# Altium PCB PROC054D_MMWCAS_RF_EVM_ASCII.PcbDoc (part 6 of 13)
Units mil, origin at the board's own origin, x right, y up, seen from the top; angles counter-clockwise.
Board outline 6299.21 x 5370.07 mil, 8 copper layers (L1 TOP, L2 GND, L3 SIGNAL 1, L4 GND, L5 SIGNAL 2, L6 SIGNAL 3, L7 GND, L8 BOTTOM), stack 53.5 mil thick; 775 components, 552 nets, 2648 pads, 7845 vias.
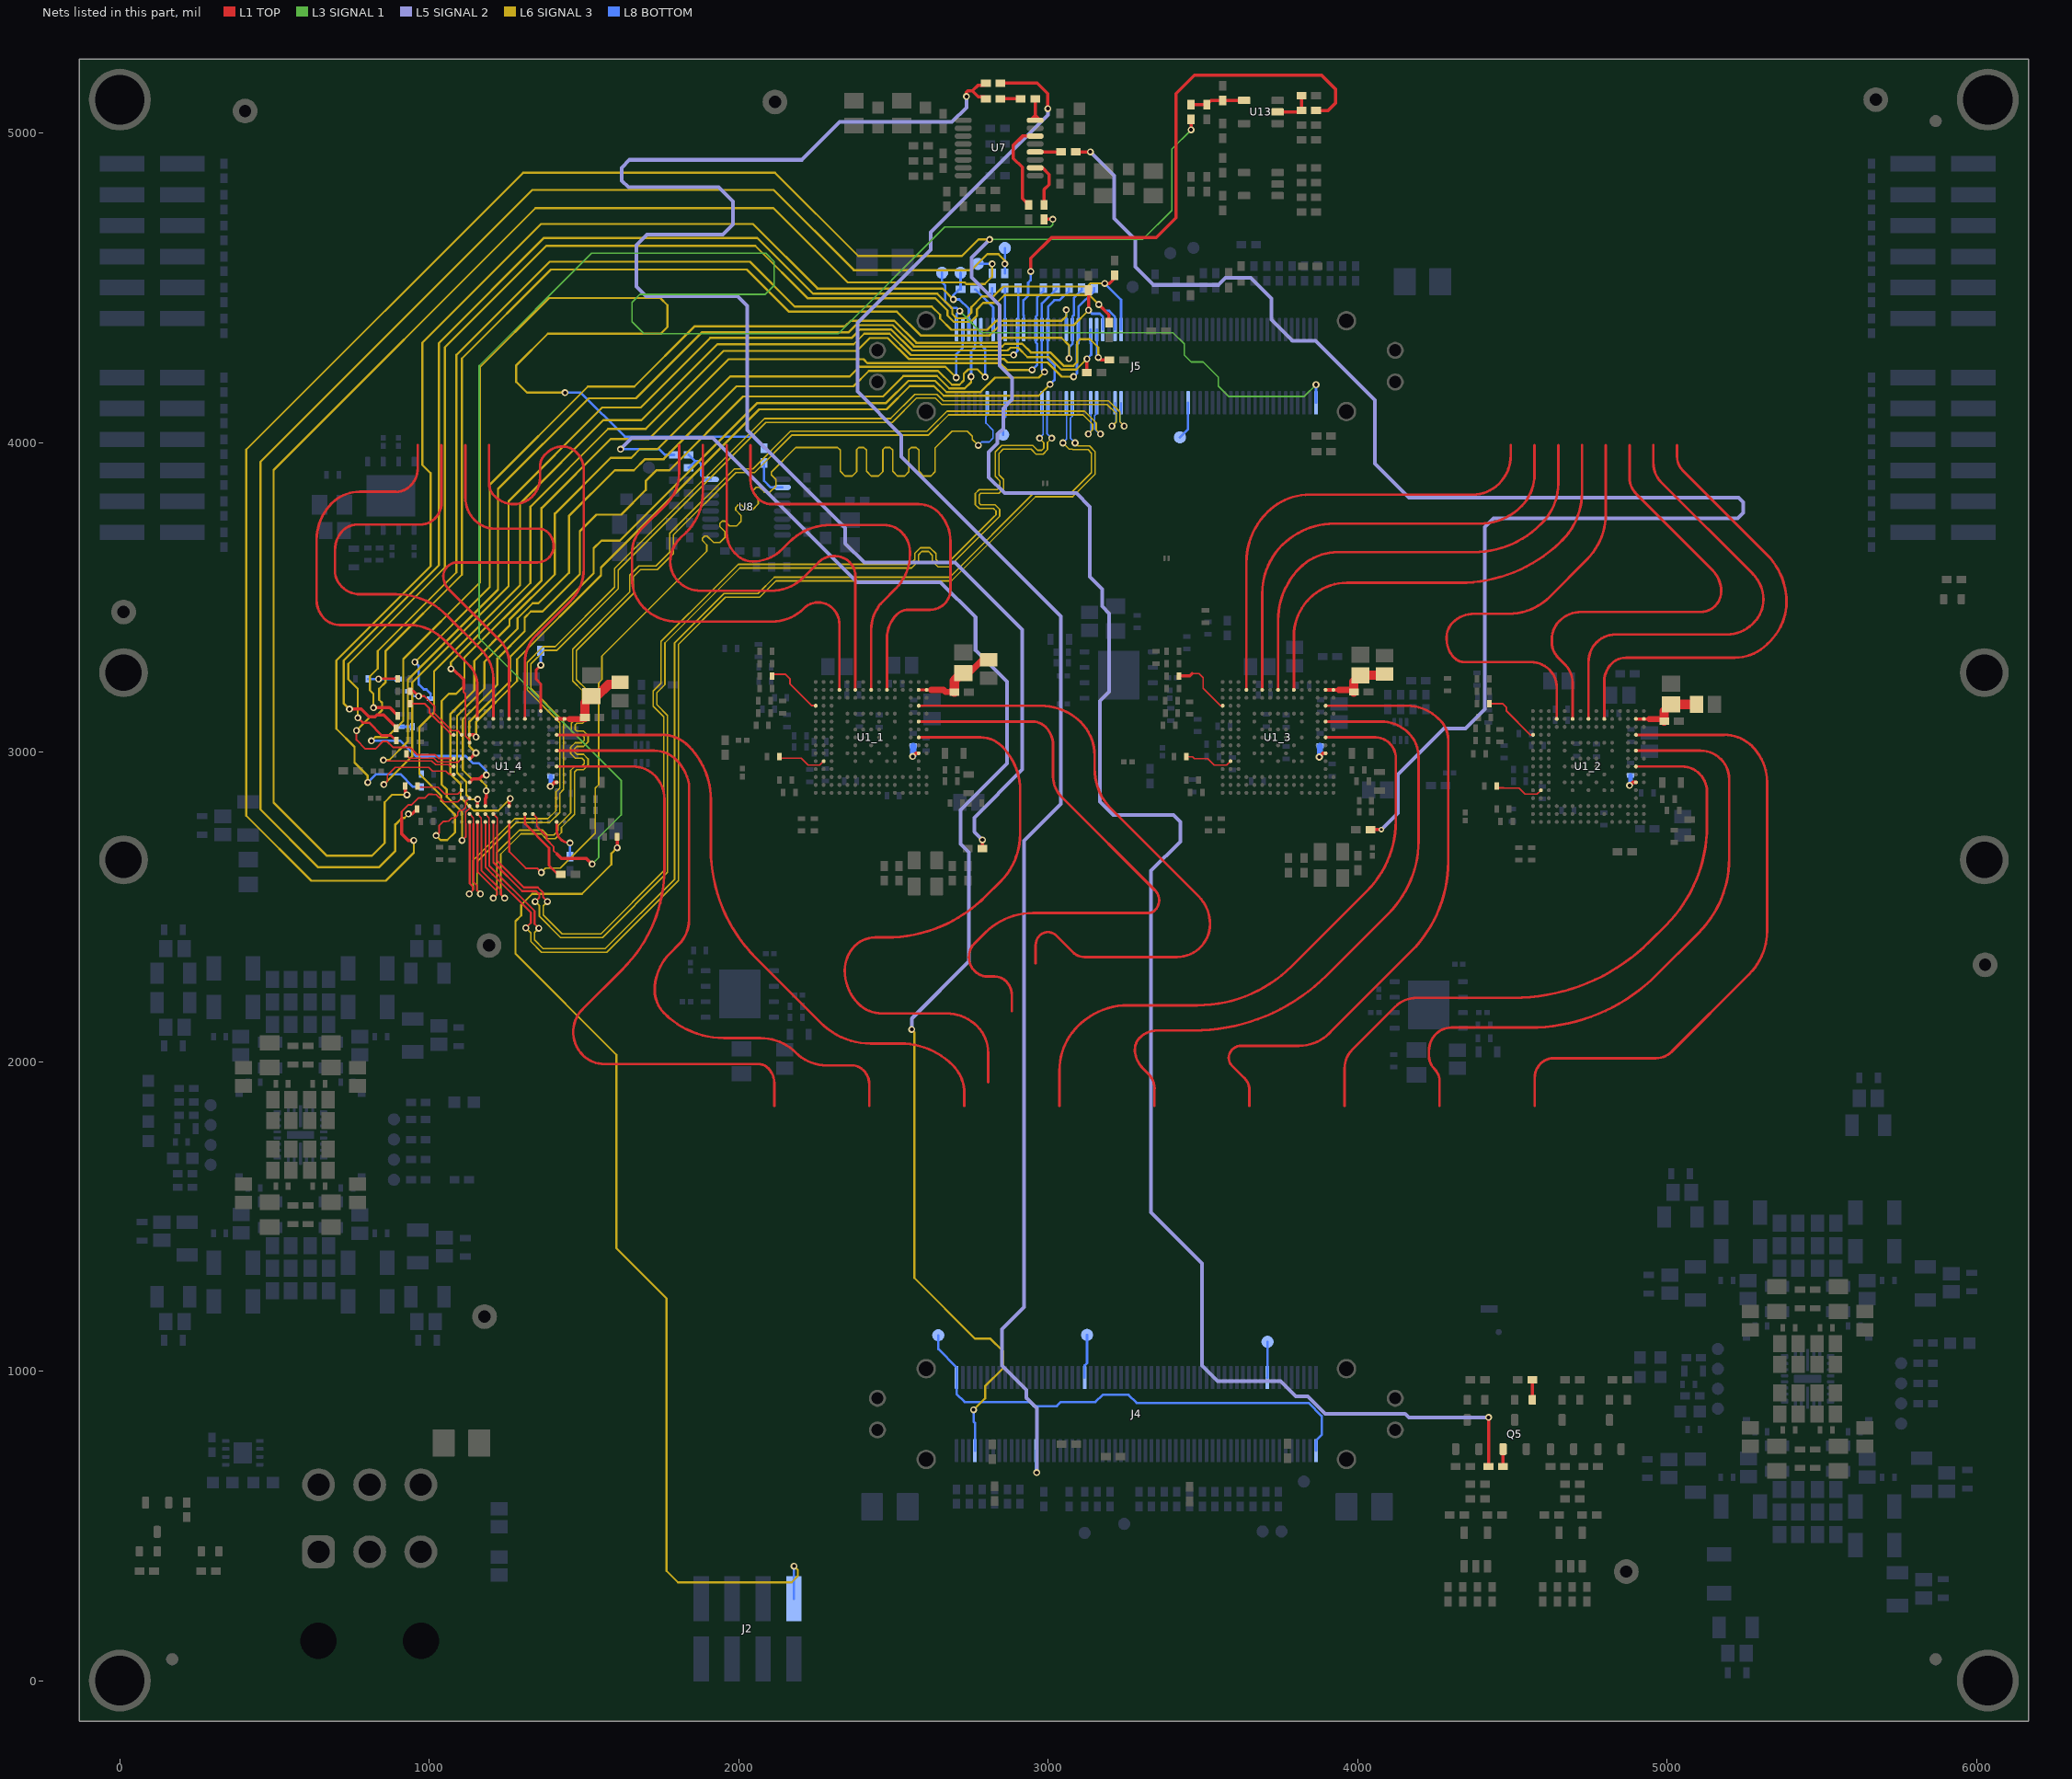
[diagram p12: the nets of this part, all layers, seen from the top]

## Via types
v1: diameter 15.74, hole 5.9, L1 TOP to L2 GND, tented both sides, 5522 vias
v2: diameter 22.4, hole 12.2, L1 TOP to L8 BOTTOM, tented both sides, 1522 vias
v3: diameter 18, hole 8, L1 TOP to L8 BOTTOM, tented both sides, 727 vias
v4: diameter 18, hole 7.87, L1 TOP to L8 BOTTOM, tented top, 50 vias
v5: diameter 24, hole 12, L1 TOP to L8 BOTTOM, tented both sides, 13 vias
v6: diameter 19.68, hole 7.87, L1 TOP to L8 BOTTOM, tented top, 10 vias
v7: diameter 15.74, hole 5.9, L1 TOP to L2 GND, tented top, 1 vias

## Nets (pads, with @x,y where several pads share a name; then routed paths per layer and width w, separated by ;. In a path a pad name is that pad's centre, name@x,y a point inside that pad or via, vN(x,y) a via of type N, cw(c..) or ccw(c..) an arc to the next point about the centre after c; other vN are vias at no path point) (continued)
AWR_4_CSI2_TX1_P: J5.66 U1_4.H15 | length 3707.4
  L1 TOP w6.5: U1_4.H15@1257.89,2774.36 1258.48,2773.78 1258.48,2678.37 1312.06,2624.79 1348.31,2624.79 v2(1362,2611.1)
  L6 SIGNAL 3 w5: v2(1362,2611.1) 1375.74,2624.85 1423.23,2624.85 1536.71,2738.33 1536.71,2883.98 1547.54,2894.81 1547.54,3224.18 1558,3234.64 1558,3309.97 1896.89,3648.86 1896.89,3669.14 1882.24,3683.79 1882.24,3690.46 1890.11,3698.33 1897.63,3698.33 1918.77,3677.2 1938.82,3677.2 1955.19,3693.57 1955.19,3712.07 1938.73,3728.53 1938.73,3738.78 1946.52,3746.57 1955.13,3746.57 1970.7,3731 1993.24,3731 2007.72,3745.48 2007.72,3764.32 1990.15,3781.89 1990.15,3790.48 1998.49,3798.82 2008.22,3798.82 2024.22,3782.82 2044.25,3782.82 2063.31,3801.87 2063.31,3821.6 2047.11,3837.79 2047.11,3846.37 2056.51,3855.77 2066.96,3855.77 2082.47,3840.25 2101.4,3840.25 2120.01,3858.87 2120.01,3880.84 2104.98,3895.87 2104.98,3904.57 2184.69,3984.27 2319.88,3984.27 2328.28,3975.87 2328.28,3907.32 2343.45,3892.15 2366.9,3892.15 2381.02,3906.27 2381.02,3977.14 2388.15,3984.27 2404.46,3984.27 2412.86,3975.87 2412.86,3907.32 2428.03,3892.15 2451.48,3892.15 2465.6,3906.27 2465.6,3977.14 2472.73,3984.27 2489.04,3984.27 2497.44,3975.87 2497.44,3907.32 2512.61,3892.15 2536.06,3892.15 2550.18,3906.27 2550.18,3977.14 2557.31,3984.27 2573.62,3984.27 2582.02,3975.87 2582.02,3907.32 2597.19,3892.15 2620.65,3892.15 2634.76,3906.27 2634.76,3982.58 2689.37,4037.18 2738.58,4037.18 2755.2,4020.56 2755.2,4010.3 v2(2774,3991.5)
  L8 BOTTOM w5.25: v2(2774,3991.5) 2784.5,4002 2786,4002 ; 2797.86,4002 2786,4002 ; J5.66@2802.64,4128.84 2802.64,4087.55 2798.8,4083.71 2798.8,4063.18 2822,4039.98 2822,4014.27 2809.73,4002 2786,4002
AWR_4_CSI2_TX2_N: J5.75 U1_4.K14 | length 3678.2
  L1 TOP w4: U1_4.K14@1206.71,2799.95 1219.3,2787.37 1219.3,2764
  L1 TOP w6.5: 1219.3,2764 1219.3,2648.85 1305.15,2563 1350.76,2563 1367.49,2546.28 1367.49,2531.13 v2(1381.62,2517)
  L6 SIGNAL 3 w5: v2(1381.62,2517) 1368,2503.38 1368,2473.97 1428.96,2413.01 1554.66,2413.01 1758,2616.35 1758,3114 1723.48,3148.52 1723.48,3197.12 1749.22,3222.87 1749.22,3357.38 1932.28,3540.44 1998.61,3606.77 2553.76,3606.77 2569.17,3622.19 2569.17,3642.5 2586.73,3660.07 2618.16,3660.07 2637.09,3641.13 2637.09,3622.16 2649.03,3610.22 2674.73,3610.22 2824.51,3760 2831.28,3766.78 2831.28,3779.1 2823.38,3787 2776.85,3787 2764.73,3799.12 2764.73,3835.68 2776.94,3847.89 2835.98,3847.89 2844.15,3856.06 2844.15,3875.87 2828.89,3891.13 2828.89,3970.02 2849.57,3990.7 2950.15,3990.7 2965.85,3975 2978.8,3975 2985.82,3982.03 2985.82,4000.18 v2(2972,4014)
  L8 BOTTOM w5.25: v2(2972,4014) 2984,4026.01 2984,4089.77 2979.8,4093.97 J5.75@2979.8,4128.84
AWR_4_CSI2_TX2_P: J5.76 U1_4.K15 | length 3688.3
  L1 TOP w6.5: U1_4.K15@1206.71,2774.36 1207.3,2773.78 1207.3,2643.87 1300.17,2551 1345.78,2551 1355.49,2541.3 1355.49,2530.49 v2(1342,2517)
  L6 SIGNAL 3 w5: v2(1342,2517) 1356,2503 1356,2468.99 1423.98,2401.01 1559.64,2401.01 1770,2611.38 1770,3118.98 1735.48,3153.5 1735.48,3192.14 1761.22,3217.89 1761.22,3352.4 2003.59,3594.77 2558.73,3594.77 2581.18,3617.21 2581.18,3637.53 2591.71,3648.06 2613.18,3648.06 2625.08,3636.16 2625.08,3617.19 2644.06,3598.22 2679.7,3598.22 2843.28,3761.8 2843.28,3784.08 2828.36,3799 2781.83,3799 2776.73,3804.1 2776.73,3830.7 2781.92,3835.89 2840.96,3835.89 2856.15,3851.08 2856.15,3880.85 2840.89,3896.11 2840.89,3965.04 2854.55,3978.7 2945.17,3978.7 2960.87,3963 2983.78,3963 2997.82,3977.05 2997.82,4000.43 v2(3011.39,4014)
  L8 BOTTOM w5.25: J5.76@2999.49,4128.84 2999.49,4093.48 2996,4089.99 2996,4029.39 v2(3011.39,4014)
AWR_4_CSI2_TX3_N: J5.79 U1_4.L14 | length 3684.6
  L1 TOP w4: U1_4.L14@1181.12,2799.95 1193.71,2787.37 1193.71,2766
  L1 TOP w6.5: 1193.71,2766 1193.71,2632.93 1340,2486.68 1340,2445 v2(1354,2431)
  L6 SIGNAL 3 w5: v2(1354,2431) 1340.03,2417.03 1340.03,2392.95 1367.87,2365.11 1568.15,2365.11 1792.9,2589.85 1792.9,3353.3 1952.15,3512.55 2062.65,3512.55 2115.21,3565.11 2682.11,3565.11 2954.3,3837.3 3074.3,3837.3 3140,3903 3140,3966 3129,3977 3079.73,3977 3077.73,3979 3067.61,3979 v2(3047.61,3999)
  L8 BOTTOM w5.25: v2(3047.61,3999) 3059.72,4011.09 3059.72,4109.04 3058.54,4110.22 J5.79@3058.54,4128.84
AWR_4_CSI2_TX3_P: J5.80 U1_4.L15 | length 3674.5
  L1 TOP w6.5: U1_4.L15@1181.12,2774.36 1181.71,2773.78 1181.71,2627.96 1205.12,2604.55 1328,2481.7 1328,2448 v2(1312,2432)
  L6 SIGNAL 3 w5: v2(1312,2432) 1328.03,2415.97 1328.03,2387.97 1362.89,2353.11 1573.13,2353.11 1804.9,2584.87 1804.9,3348.32 1957.12,3500.54 2067.62,3500.54 2120.19,3553.1 2687.08,3553.1 2959.28,3825.3 3079.28,3825.3 3152,3898.02 3152,3970.98 3133.98,3989 3097,3989 v2(3087,3999)
  L8 BOTTOM w5.25: J5.80@3078.23,4128.84 3078.23,4085.66 3071.72,4079.15 3071.72,4014.28 v2(3087,3999)
AWR_4_DIG_SYNCIN: R135.2 R185_4.2 U1_4.N10 | length 4126.6
  L1 TOP w10.5: U1_4.N10@1129.94,2902.31 1140.89,2913.27 1161.14,2913.27 1170.23,2922.36 1180.81,2922.36 v2(1184.59,2926.14)
  L6 SIGNAL 3 w6.9: v2(812.89,3036.27) 825.11,3048.49 863.51,3048.49 915.63,3100.61 915.63,3300.2 1163.16,3547.74 1163.16,4243.44 1387.06,4467.34 1746.85,4467.34 1769.9,4444.29 1769.9,4373.73 1747.83,4351.66 1383.07,4351.66 1281.14,4249.73 1281.14,4196.18 1315.78,4161.55 v2(1438.72,4161.55)
  L8 BOTTOM w7.75: v2@813.69,3036.36 906.66,3036.36 956.02,2987 R185_4.2@985.9,2987 1118.06,2987 1141.23,2963.83 1160.75,2963.83 1184.59,2939.99 v2(1184.59,2926.14) ; v2(1438.72,4161.55) 1489.22,4161.55 1631.55,4019.22 2044.12,4019.22 R135.2@2081.68,3981.65
AWR_4_DIG_SYNCIN_RS: R135.1 U8.10 | length 125.8
  L8 BOTTOM w7.75: R135.1@2081.68,3934.41 2081.68,3877.07 2103.38,3855.37 U8.10@2141.18,3855.37
AWR_4_DIG_SYNCOUT: R1_4.1 R162.1 TP1_4.1 | length 4670
  L1 TOP w10.5: R1_4.1@921.9,2891 921.9,2867.9 v2(927.8,2862)
  L6 SIGNAL 3 w6.9: v2(927.8,2862) 879.56,2862 855.43,2837.86 855.43,2706.35 813.99,2664.91 668.91,2664.91 496.86,2836.96 496.86,3911.25 1343.23,4757.63 2112.2,4757.63 2352.03,4517.8 2730.04,4517.8 2735.57,4512.27 2795.22,4512.27 2819,4536.05 v2(2819,4577.44)
  L8 BOTTOM w7.75: TP1_4.1@2772.45,4577.44 v2(2819,4577.44) R162.1@2819,4546.21
AWR_4_FMCW_CLKOUT: R84.1 U1_4.B15 | length 136.1
  L1 TOP w8.4: U1_4.B15@1411.44,2774.36 1411.44,2749.58 ccw(c1454.53,2749.58) v2(1454.53,2706.49)
  L8 BOTTOM w7.75: R84.1@1454.53,2662.84 v2(1454.53,2706.49)
AWR_4_FMCW_SYNCOUT: R85.1 U1_4.D1 | length 207.2
  L1 TOP w8.4: U1_4.D1@1360.26,3132.63 1360.26,3220.75 1345.01,3236 1345.01,3265.75 v2(1360.26,3281)
  L8 BOTTOM w7.75: v2(1360.26,3281) R85.1@1360.26,3327.2
AWR_4_GPIO_0: J5.16 R16_4.2 U1_4.N4 | length 2826.2
  L1 TOP w10.5: U1_4.N4@1129.94,3055.86 1143.82,3055.86 v2(1150.99,3048.69)
  L6 SIGNAL 3 w6.9: v2(1150.99,3048.69) 1150.99,3097.13 1283.76,3229.9 1283.76,3299.67 1554.82,3570.73 1554.82,3596.52 2065.84,4107.54 2477.71,4107.54 2552.9,4182.72 2630.93,4182.72 2662.62,4151.02 2969.02,4151.02 v2(3006,4188)
  L8 BOTTOM w7.75: v2(3006,4188) 3020.29,4202.29 3020.29,4250.71 2998,4273 2998,4363.57 J5.16@2999.49,4365.06 2999.49,4439.52 3019.8,4459.83 3036.84,4459.83 3067,4490 R16_4.2@3067,4498.97
AWR_4_GPIO_1: J5.15 R17_4.2 U1_4.N7 | length 2882
  L1 TOP w10.5: U1_4.N7@1129.94,2979.09 1132.38,2979.09 v2(1150.69,2997.4)
  L6 SIGNAL 3 w6.9: v2(1150.69,2997.4) 1128.67,3019.42 1128.67,3097.06 1261.79,3230.18 1261.79,3308.53 1531.25,3577.99 1531.25,3658.39 1556.14,3683.28 1615.52,3683.28 2060.12,4127.87 2476.41,4127.87 2548.38,4199.85 2634.43,4199.85 2671.36,4162.92 2781.23,4162.92 2828.13,4209.83 2969.83,4209.83 v2(2988,4228)
  L8 BOTTOM w7.75: v2(2988,4228) 2979.8,4236.2 J5.15@2979.8,4365.06 2979.8,4449.18 3026,4495.38 R17_4.2@3026,4498.97
AWR_4_GPIO_2: J5.14 R18_4.2 U1_4.N13 | length 3451.4
  L1 TOP w4: 1117.44,2769 1117.44,2806.5 1129.94,2819 U1_4.N13@1129.94,2825.55
  L1 TOP w6: v2(1106,2714.5) 1117.44,2725.94 1117.44,2769
  L6 SIGNAL 3 w6.9: v2(1106,2714.5) 1106,2806.2 1056.72,2855.49 1056.72,2878.5 1040.17,2895.04 1040.17,3165.16 1063.16,3188.15 1086.89,3188.15 1113.76,3215.02 1113.76,3306.04 1362.77,3555.05 1362.77,3788.38 1585.86,4011.47 1709.27,4011.47 1967.05,4269.24 2403.14,4269.24 2415.42,4256.96 2845.12,4256.96 2867.09,4235 v2(2948,4235)
  L8 BOTTOM w7.75: v2(2948,4235) 2964.81,4251.81 2964.81,4318.42 2960.12,4323.11 J5.14@2960.12,4365.06 2960.12,4407.15 2964.62,4411.66 2964.62,4469.57 2985,4489.95 R18_4.2@2985,4498.97
AWR_4_LVDS_FRCLK_N: J5.83 U1_4.M14 | length 3666.4
  L1 TOP w4: U1_4.M14@1155.53,2799.95 1168.12,2787.37 1168.12,2766.39
  L1 TOP w6.5: 1168.12,2766.39 1168.12,2617.86 1231.4,2554.58 1231.4,2540 v2(1243.4,2528)
  L6 SIGNAL 3 w5: v2(1243.4,2528) 1230.71,2540.69 1230.71,2670.48 1296.22,2736 1361.59,2736 1377.07,2720.52 1407.5,2720.52 1427.16,2740.18 1427.16,2756.89 1469,2798.72 1469,2935.78 1476.47,2943.25 1498.51,2943.25 1513,2957.74 1513,2978.26 1498.51,2992.75 1476.47,2992.75 1469,3000.22 1469,3010.78 1476.47,3018.25 1498.51,3018.25 1513,3032.74 1513,3053.26 1498.51,3067.75 1476.47,3067.75 1471.48,3072.74 1471.48,3088.26 1476.47,3093.25 1495.45,3093.25 1507.52,3105.32 1507.52,3202.84 1475.49,3234.87 1475.49,3327.78 1660.03,3512.32 1660.03,3566.76 1682.84,3589.57 1737.28,3589.57 1789.23,3641.52 1789.23,3701.98 1990.61,3903.35 2051.06,3903.35 2172.24,4024.53 2613.52,4024.53 2678.53,4089.54 3112.48,4089.54 3143.22,4058.8 3143.22,4041.61 v2(3129.61,4028)
  L8 BOTTOM w5.25: v2(3129.61,4028) 3138,4036.39 3138,4128.12 J5.83@3137.28,4128.84
AWR_4_LVDS_FRCLK_P: J5.84 U1_4.M15 | length 3684.1
  L1 TOP w6.5: U1_4.M15@1155.53,2774.36 1156.12,2773.78 1156.12,2612.88 1219.4,2549.6 1219.4,2540.4 v2(1207,2528)
  L6 SIGNAL 3 w5: v2(1207,2528) 1218.71,2539.71 1218.71,2675.46 1291.24,2748 1366.57,2748 1382.04,2732.52 1402.53,2732.52 1415.16,2745.15 1415.16,2761.86 1457,2803.7 1457,2940.76 1471.49,2955.25 1493.53,2955.25 1501,2962.72 1501,2973.28 1493.53,2980.75 1471.49,2980.75 1457,2995.24 1457,3015.76 1471.49,3030.25 1493.53,3030.25 1501,3037.72 1501,3048.28 1493.53,3055.75 1471.49,3055.75 1459.48,3067.76 1459.48,3093.24 1471.49,3105.25 1490.47,3105.25 1495.52,3110.3 1495.52,3197.86 1463.49,3229.89 1463.49,3332.76 1648.02,3517.29 1648.02,3571.74 1677.86,3601.58 1732.31,3601.58 1777.22,3646.5 1777.22,3706.95 1985.63,3915.36 2046.09,3915.36 2167.26,4036.53 2608.54,4036.53 2673.55,4101.54 3117.46,4101.54 3155.22,4063.78 3155.22,4041.78 v2(3169,4028)
  L8 BOTTOM w5.25: J5.84@3156.97,4128.84 3156.97,4094.57 3150,4087.6 3150,4044 3166,4028 v2(3169,4028)
AWR_4_LVDS_VALID_N: J5.87 U1_4.N14 | length 3675.4
  L1 TOP w4: U1_4.N14@1129.94,2799.95 1142.53,2787.37 1142.53,2767.89
  L1 TOP w6.5: 1142.53,2767.89 1142.53,2580.45 1153.2,2569.78 1153.2,2554.2 v2(1165.4,2542)
  L6 SIGNAL 3 w5: v2(1165.4,2542) 1154,2553.4 1154,2645.6 1281.08,2772.69 1388.68,2772.69 1421.43,2805.44 1421.43,2866.68 1433.76,2879 1433.76,3100.12 1327.99,3205.88 1327.99,3284.69 1371.86,3328.55 1411.51,3328.55 1610.67,3527.72 1610.67,3588.17 2088.05,4065.55 2495.78,4065.55 2574.23,4144 2635.01,4144 2655.84,4123.17 3190.38,4123.17 3219.56,4093.99 3219.56,4066.58 v2(3206.17,4053.19)
  L8 BOTTOM w5.25: v2(3206.17,4053.19) 3219.53,4066.55 3219.53,4092.21 3216.02,4095.72 J5.87@3216.02,4128.84
AWR_4_LVDS_VALID_P: J5.88 U1_4.N15 | length 3686.1
  L1 TOP w6.5: v2(1129,2542) 1141.2,2554.2 1141.2,2564.8 1130.53,2575.47 1130.53,2773.78 U1_4.N15@1129.94,2774.36
  L6 SIGNAL 3 w5: v2(1129,2542) 1142,2555 1142,2650.58 1276.1,2784.69 1383.7,2784.69 1409.43,2810.42 1409.43,2871.65 1421.76,2883.97 1421.76,3095.15 1315.99,3200.91 1315.99,3289.66 1366.89,3340.55 1406.53,3340.55 1598.67,3532.69 1598.67,3593.14 2083.08,4077.55 2490.81,4077.55 2569.26,4156 2639.98,4156 2660.81,4135.17 3195.36,4135.17 3231.56,4098.96 3231.56,4067.19 v2(3245.56,4053.19)
  L8 BOTTOM w5.25: J5.88@3235.71,4128.84 3235.71,4095.79 3231.53,4091.62 3231.53,4067.22 v2(3245.56,4053.19)
AWR_4_MCU_CLKOUT: R5_4.1
AWR_4_MSS_LOGGER: J5.19 R15_4.1 | length 3649
  L1 TOP w10.5: v2(819.49,3143.3) 872.7,3143.3 899,3117 R15_4.1@900.1,3117
  L6 SIGNAL 3 w6.9: v2(819.49,3143.3) 819.49,3188.14 807.86,3199.77 807.86,3244.59 833.69,3270.42 833.69,3326.62 1087.5,3580.43 1087.5,4283.16 1389.04,4584.7 2036,4584.7 2181.41,4439.29 2624.27,4439.29 2650.63,4412.92 2650.63,4400.84 2687.05,4364.42 2803.01,4364.42 2832.55,4393.97 3044.06,4393.97 3058.54,4408.45 v2(3058.54,4429)
  L8 BOTTOM w7.75: J5.19@3058.54,4365.06 v2(3058.54,4429)
AWR_4_NERROR_IN: R177_4.1 U1_4.P7 | length 197.1
  L1 TOP w4: R177_4.1@926.4,2995 926.4,2991.27 936.67,2981 1014,2981 1026,2969 1066,2969 1068.41,2966.59 1091.85,2966.59 U1_4.P7@1104.35,2979.09
AWR_4_NERROR_OUT: R9_4.1 R160.1 | length 36.9
  L8 BOTTOM w7.75: R160.1@909,3082 R9_4.1@945.9,3082
AWR_4_NRST: R203.2 R210.2 U1_4.P12 | length 11634.2
  L1 TOP w4: 1010.19,2863.13 1022.72,2863.13 1047.21,2838.64 1091.85,2838.64 U1_4.P12@1104.35,2851.13
  L1 TOP w6: 910.71,2784.3 910.71,2807.53 932.99,2829.81 942.81,2829.81 964.31,2851.31 985.45,2851.31 997.33,2863.2 1010.19,2863.2
  L1 TOP w10.5: 910.71,2784.3 910.71,2735.9 931.59,2715.01 v2(949.95,2715.01) ; v2(3461.75,5010.51) R210.2@3461.75,5044.66 ; R203.2@4422.96,691.84 v2(4422.96,850.2)
  L3 SIGNAL 1 w5.1: v2(2811.14,4656.3) 3305.51,4656.3 3399.71,4750.5 3399.71,4948.48 v2(3461.75,5010.51)
  L5 SIGNAL 2 w12: v2(2811.14,4656.3) 2752.99,4598.15 2752.99,4534.61 2843.89,4443.71 2843.89,4248.66 2883.9,4208.65 2883.9,4139.47 2854.73,4110.3 2854.73,4045.49 2835.88,4026.64 2835.88,3997.26 2808.05,3969.44 2808.05,3887.75 2859.05,3836.75 3090.77,3836.75 3135.12,3792.4 3135.12,3566.3 3174.58,3526.84 3174.58,3471.33 3197.59,3448.32 3197.59,3195.18 3167.5,3165.08 3167.5,2839.63 3210.69,2796.43 3405.15,2796.43 3426.81,2774.77 3426.81,2711.13 3332.25,2616.57 3332.25,1513.3 3497.17,1348.37 3497.17,1018.47 3547.63,968.01 3750.58,968.01 3799.73,918.86 3839.36,918.86 3895.59,862.63 4153.24,862.63 4165.66,850.2 v2(4422.96,850.2)
  L6 SIGNAL 3 w6.9: v2(949.95,2715.01) 949.95,2674.99 859.45,2584.49 618.41,2584.49 408.49,2794.4 408.49,3977.47 1302.71,4871.69 2117.54,4871.69 2386.24,4602.99 2721.65,4602.99 2774.96,4656.3 v2(2811.14,4656.3)
AWR_4_NRST_HOST: J5.12 R77.1 | length 1841.1
  L1 TOP w10.5: v2(2943.45,4553.08) 2943.45,4595.19 3011.2,4662.93 3349.73,4662.93 3413.43,4726.64 3413.43,5127.66 3472.8,5187.03 3883.5,5187.03 3928.12,5142.41 3928.12,5096.69 3904.7,5073.27 R77.1@3865.5,5073.27
  L8 BOTTOM w7.75: J5.12@2920.75,4365.06 2920.75,4411.29 2920.36,4411.68 2920.36,4459.83 2935.49,4474.96 2935.49,4516.46 2943.45,4524.42 v2(2943.45,4553.08)
AWR_4_NRST_HOST_GS: R77.2 R92.1 U13.2 | length 126.2
  L1 TOP w10.5: U13.2@3741.51,5068.27 3813.25,5068.27 R77.2@3818.25,5073.27 R92.1@3818.25,5120.67
AWR_4_NRST_LED: Q5.1 R203.1 | length 56.1
  L1 TOP w10.5: R203.1@4470.21,691.84 Q5.1@4470.21,747.96
AWR_4_NRST_LED_PW: DS7.1 R201.1 | length 65
  L1 TOP w10.5: DS7.1@4564.7,906.78 R201.1@4564.7,971.8
AWR_4_NRST_RS: C149.1 R61.1 R210.1 U13.4 | length 177.2
  L1 TOP w10.5: R210.1@3461.75,5091.91 R61.1@3512.69,5091.91 3526.45,5105.67 C149.1@3564.27,5105.67 U13.4@3633.24,5105.67
AWR_4_OSC_CLKOUT: J2.7 R2_4.1 | length 3394.8
  L1 TOP w10.5: v2(1607.14,2691.08) R2_4.1@1607.14,2726.23
  L6 SIGNAL 3 w6.9: v2(1607.14,2691.08) 1588.31,2672.26 1588.31,2636.9 1493.38,2541.98 1332.56,2541.98 1296.94,2506.36 1296.94,2472.28 1278.24,2453.59 1278.24,2348.55 1604.67,2022.13 1604.67,1396.91 1766.71,1234.86 1766.71,354.59 1803.68,317.62 2170.69,317.62 2190.99,337.92 2190.99,357.24 v2(2178.45,369.78)
  L8 BOTTOM w7.75: J2.7@2178.45,264.5 v2(2178.45,369.78)
AWR_4_PMIC_CLKOUT: R4_4.1 R163.1 TP2_4.1 | length 4834.5
  L1 TOP w10.5: v2(932.8,2800) 945,2800 R4_4.1@961,2816
  L6 SIGNAL 3 w6.9: v2(932.8,2800) 919.67,2786.87 911.18,2786.87 890.24,2765.93 890.24,2680.76 837.3,2627.82 641.37,2627.82 454.71,2814.47 454.71,3938.12 1333.02,4816.43 2112.83,4816.43 2371.88,4557.38 2751.78,4557.38 2803.27,4608.86 2839.11,4608.86 2860,4587.98 v2(2860,4577.44)
  L8 BOTTOM w7.75: R163.1@2860,4546.21 v2(2860,4577.44) TP2_4.1@2860,4628.72
AWR_4_SCL: R114.2 R180_4.1 U1_4.P4 | length 276
  L1 TOP w4: 1016.29,3132.85 1016.29,3125.73 1073.07,3068.95 1091.26,3068.95 U1_4.P4@1104.35,3055.86
  L1 TOP w6: v2(965.29,3180.96) 984.1,3180.96 1016.29,3148.77 1016.29,3132.85
  L1 TOP w8: R180_4.1@937.91,3197 949.25,3197 v2(965.29,3180.96)
  L8 BOTTOM w7.75: R114.2@933.88,3195.9 948.82,3180.96 v2(965.29,3180.96)
AWR_4_SDA: R13_4.1 R125.2 R181_4.1 | length 159.4
  L1 TOP w8: v2(835.99,3236) 836.99,3237 R13_4.1@897.9,3237
  L8 BOTTOM w7.75: R125.2@801.74,3236.1 v2@835.89,3236.1 ; v2@836.09,3235.9 R181_4.1@899.06,3235.9
AWR_4_SOP0_TDO: J5.7 R161.2 | length 154.1
  L8 BOTTOM w7.75: R161.2@2764.12,4495.09 2822.32,4436.89 J5.7@2822.32,4365.06
AWR_4_SOP1_SYNCOUT: J5.8 R162.2 | length 143.4
  L8 BOTTOM w7.75: R162.2@2819,4498.97 2819,4469 2842.01,4445.99 J5.8@2842.01,4365.06
AWR_4_SOP2_PMICCLKOUT: J5.9 R163.2 | length 134.6
  L8 BOTTOM w7.75: R163.2@2860,4498.97 2860,4366.75 J5.9@2861.69,4365.06
AWR_4_SPI_CLK1: J5.23 R182_4.2 U1_4.R9 | length 3671.8
  L1 TOP w4: v2(853,2895) 864,2906 864,2925 890,2951 998,2951 1010,2939 1053,2939 1064.09,2927.91 U1_4.R9@1078.76,2927.91
  L1 TOP w10.5: R182_4.2@3125.04,4226.15 v2(3125.04,4270.14)
  L6 SIGNAL 3 w6.9: v2(853,2895) 944.45,2986.45 944.45,3224.24 1256.01,3535.79 1256.01,3810.58 1558.62,4113.2 1683.18,4113.2 1908.08,4338.1 2364.48,4338.1 2391.91,4365.53 2492.76,4365.53 2560.66,4297.63 2868.84,4297.63 2877.9,4306.69 2902.69,4306.69 2932.94,4276.45 3002.09,4276.45 3042.56,4235.98 3090.88,4235.98 v2(3125.04,4270.14)
  L8 BOTTOM w7.75: v2(3125.04,4270.14) 3139,4284.1 3139,4319 3137.28,4320.72 J5.23@3137.28,4365.06
AWR_4_SPI_CS1: J5.25 R175_4.1 U1_4.R7 | length 4177.6
  L1 TOP w6: v2(764.71,3069.65) 764.71,3039.42 793.53,3010.6 825.41,3010.6 849.01,3034.21 863.89,3034.21 882.52,3015.58 937.4,3015.58 961.98,2991 1019,2991 1030.91,2979.09 U1_4.R7@1078.76,2979.09
  L1 TOP w10.5: v2(3130.51,4427.61) R175_4.1@3130.51,4492.45
  L6 SIGNAL 3 w6.9: v2(764.71,3069.65) 808.89,3113.83 825.82,3113.83 847.41,3135.42 847.41,3159.26 837.58,3169.1 837.58,3204.45 859.05,3225.93 859.05,3327.13 1105.2,3573.29 1105.2,4271.68 1392.66,4559.14 2025.94,4559.14 2162.23,4422.85 2511.41,4422.85 2587.89,4346.38 2810.97,4346.38 2844.27,4379.67 3082.57,4379.67 v2(3130.51,4427.61)
  L8 BOTTOM w7.75: v2(3130.51,4427.61) 3141.53,4416.58 3167.17,4416.58 3176.65,4407.1 J5.25@3176.65,4365.06
AWR_4_SPI_HOST_INTR1: J5.27 R10_4.2 R184_4.2 | length 4097.7
  L1 TOP w8: v2(768.88,3110.53) 784.52,3094.89 805.48,3094.89 846.37,3054 876,3054 R10_4.2@893,3037
  L1 TOP w10.5: v2(3163.34,4446.33) 3196.34,4413.33 R184_4.2@3196.34,4387.27
  L6 SIGNAL 3 w6.9: v2(768.88,3110.53) 768.88,3204.85 738.54,3235.18 738.54,3285.27 1050.44,3597.16 1050.44,4308.18 1378.08,4635.83 2053.23,4635.83 2222.3,4466.76 2634.39,4466.76 2674.43,4426.72 2674.43,4410.95 2695.38,4390.01 2749.22,4390.01 2770.05,4410.83 2770.05,4431.35 2790.07,4451.37 2833.44,4451.37 2858.85,4476.78 3132.88,4476.78 v2(3163.34,4446.33)
  L8 BOTTOM w7.75: v2(3163.34,4446.33) 3183.95,4425.71 3197.03,4425.71 3216.02,4406.73 J5.27@3216.02,4365.06
AWR_4_SPI_MISO1: J5.28 R12_4.2 R176_4.1 | length 4187.3
  L1 TOP w10.5: v2(742.02,3139) 780.39,3139 805.17,3114.23 824.54,3114.23 830.39,3120.08 852.32,3120.08 892.89,3079.52 R12_4.2@892.89,3077 ; v2(3182.67,4514.41) 3197.54,4514.41 3215.4,4532.26 R176_4.1@3215.4,4540.37